# Altium PCB SVPX_FMC_6U_SOM.PcbDoc (part 6 of 9) (continued)
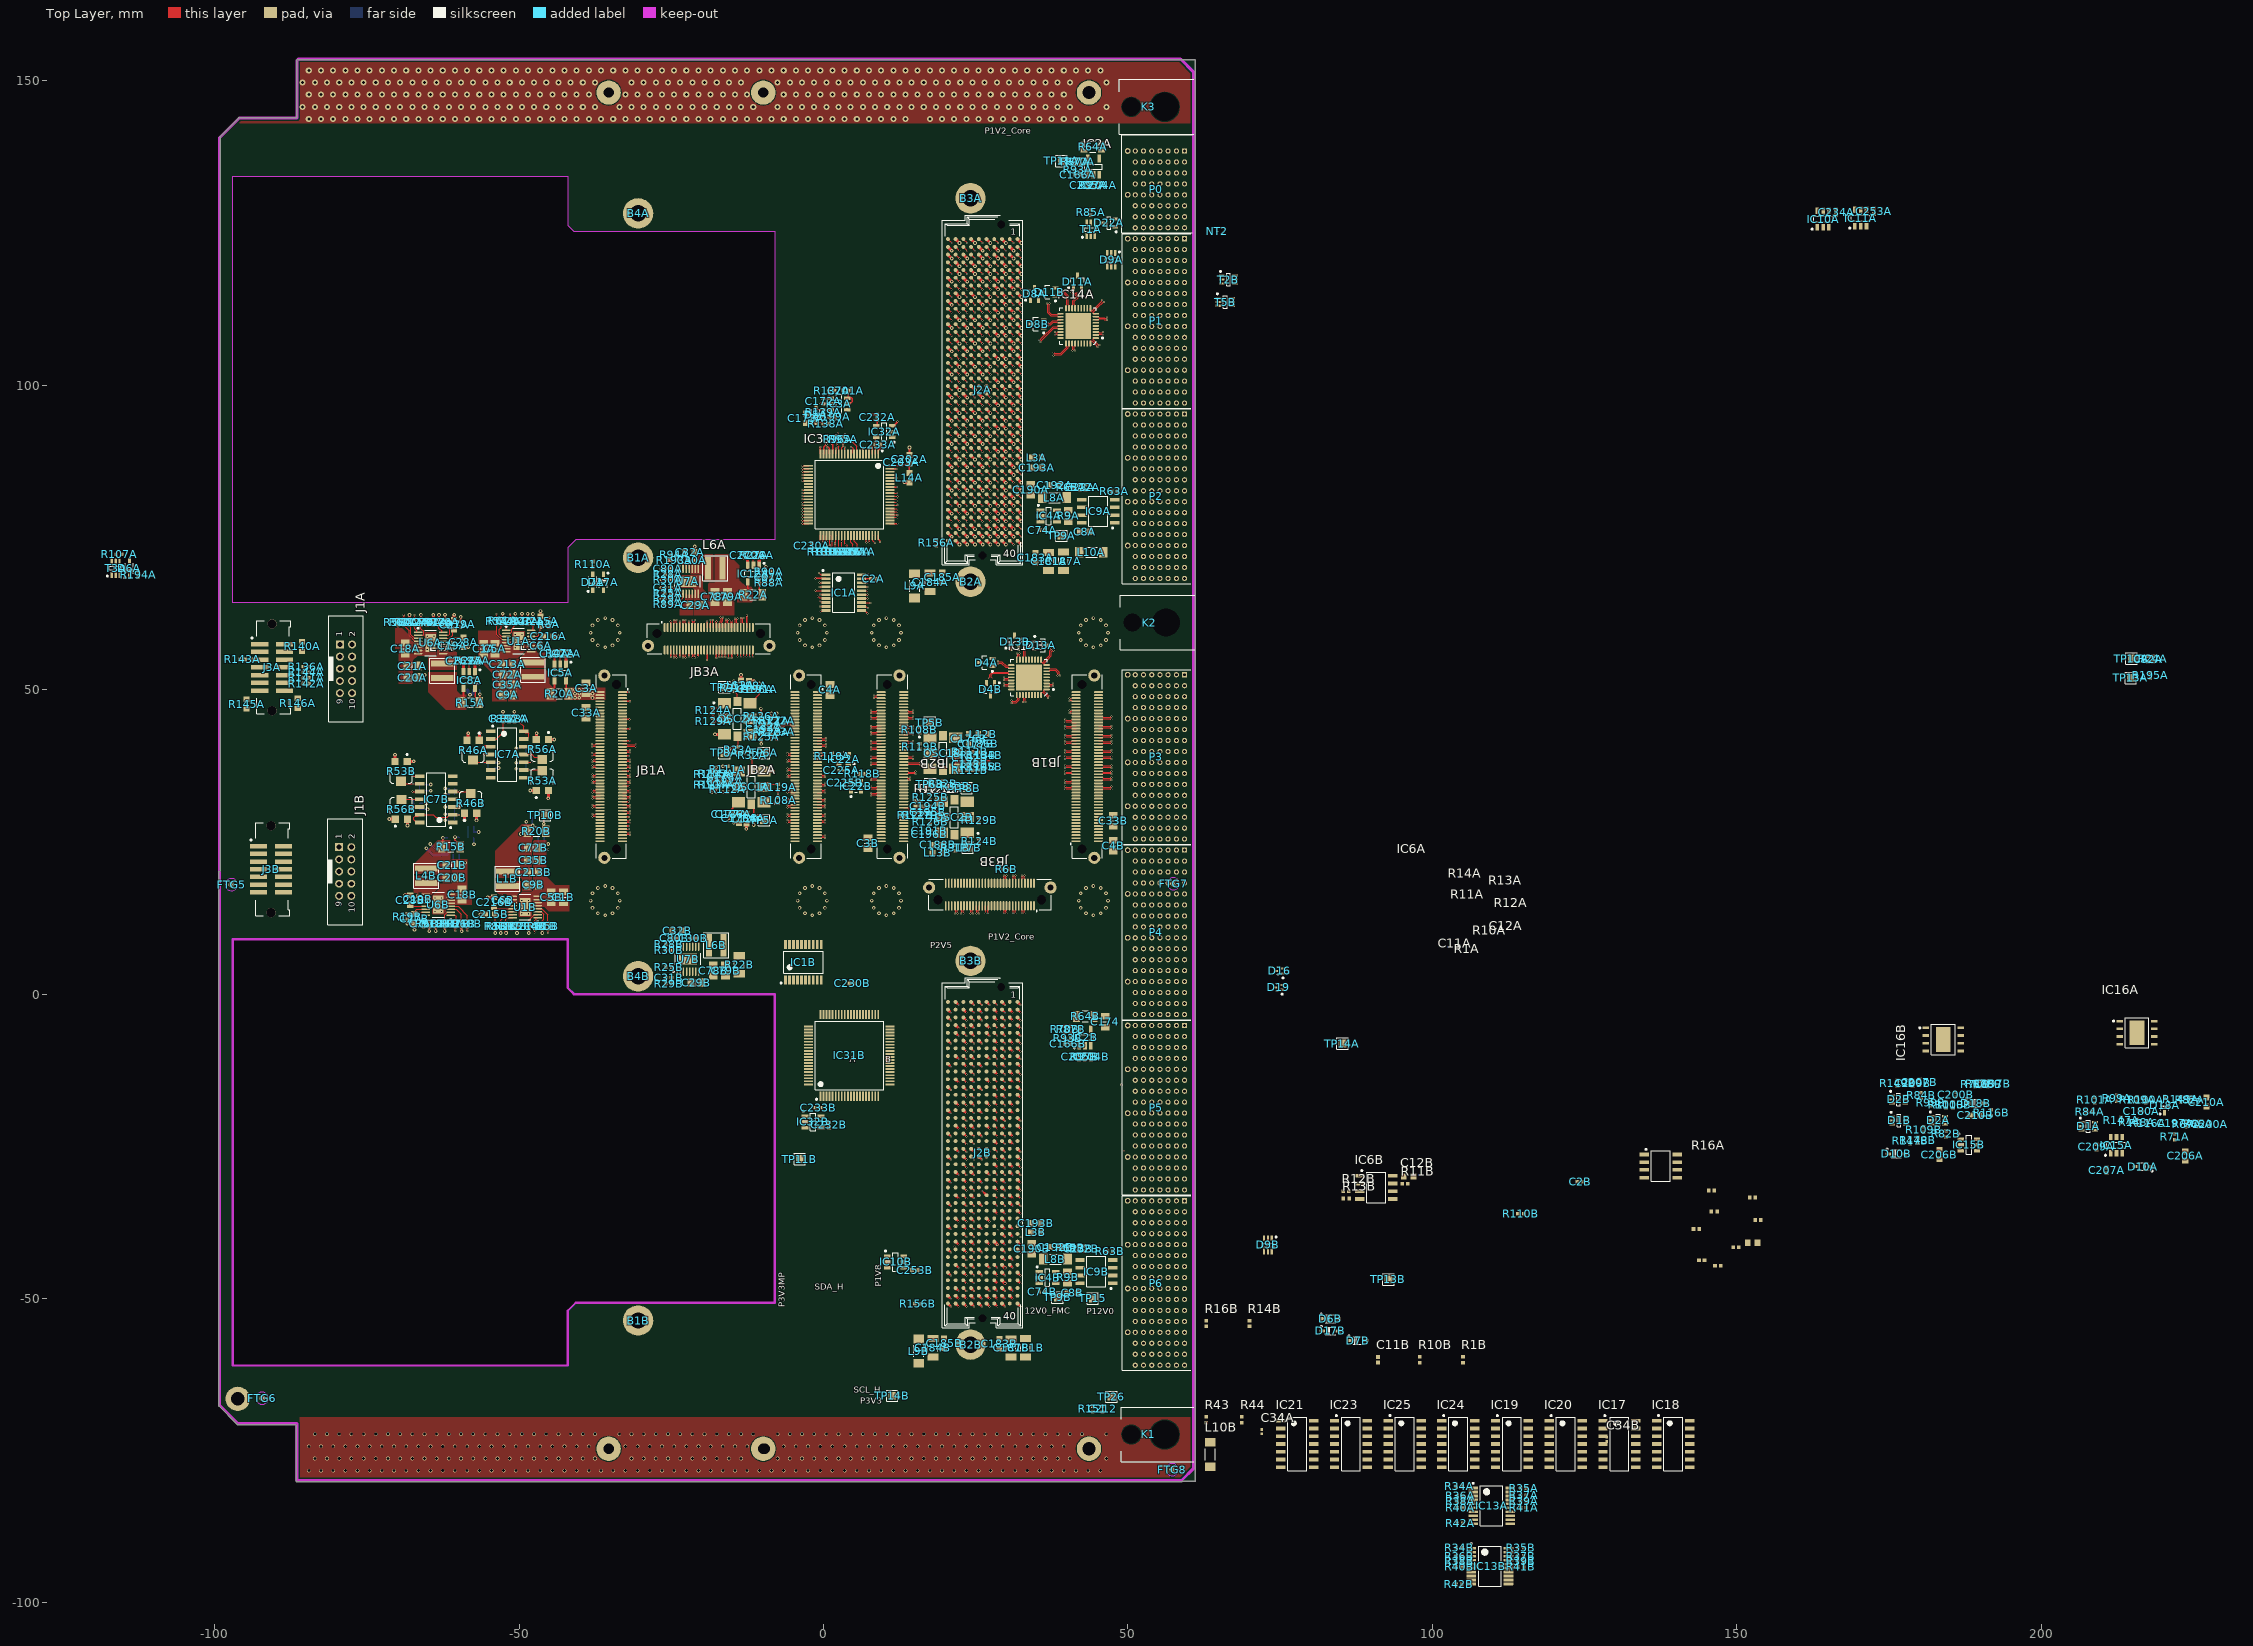
[diagram p0: Top Layer view]
## Nets (pads, with @x,y where several pads share a name; then routed paths per layer and width w, separated by ;. In a path a pad name is that pad's centre, name@x,y a point inside that pad or via, vN(x,y) a via of type N, cw(c..) or ccw(c..) an arc to the next point about the centre after c; other vN are vias at no path point) (continued)
LA07B_N: J2B.h14 JB1B.79 | length 83.9
  Top Layer w0.118: J2B.h14@22.97,-17.798 v4(23.47,-18.298) ; v1(39.7,44.64) 39.755,44.64 39.843,44.728 40.715,44.728 40.842,44.6 JB1B.79@41.475,44.6
  L1 w0.069: v4(23.47,-18.298) 23.47,-17.813 23.43,-17.773 22.847,-17.773 21.472,-16.398 21.472,-0.849 22.617,0.296 31.411,0.296 34.422,3.307 34.422,14.112 34.131,14.403 34.131,17.748 35.814,19.431 35.814,23.043 43.159,30.389 43.159,43.406 41.825,44.74 39.866,44.74 39.766,44.64 v1(39.7,44.64)
LA07B_P: J2B.h13 JB1B.81 | length 83.9
  Top Layer w0.118: J2B.h13@22.97,-16.528 v4(23.47,-17.028) ; v1(39.7,45.06) 39.755,45.06 39.843,44.972 40.715,44.972 40.842,45.1 JB1B.81@41.475,45.1
  L1 w0.069: v4(23.47,-17.028) 23.47,-17.512 23.43,-17.553 22.938,-17.553 21.692,-16.307 21.692,-0.94 22.708,0.076 31.502,0.076 34.641,3.216 34.641,14.203 34.351,14.494 34.351,17.657 36.033,19.34 36.033,22.952 43.379,30.298 43.379,43.497 41.916,44.96 39.866,44.96 39.766,45.06 v1(39.7,45.06)
LA08A_N: J2A.g13 JB1A.85 | length 88.5
  Top Layer w0.118: JB1A.85@-33,28.6 -32.367,28.6 -32.24,28.472 -31.942,28.472 -31.855,28.56 v1(-31.8,28.56) ; J2A.g13@24.24,108.751 v1(24.875,108.116)
  L1 w0.069: v1(-31.8,28.56) -31.866,28.56 -31.966,28.46 -33.97,28.46 -35.95,30.44 -35.95,44.279 -32.045,48.184 -32.045,48.204 -31.746,48.503 -31.489,48.503 -26.238,53.754 -21.399,53.754 -20.345,54.808 ; -11.7,66.781 -7.946,66.781 ; 2.798,77.525 2.798,91.708 18.925,107.835 19.731,108.641 24.835,108.641 24.875,108.601 v1(24.875,108.116)
LA08A_P: J2A.g12 JB1A.87 | length 89.3
  Top Layer w0.118: JB1A.87@-33,28.1 -32.367,28.1 -32.24,28.228 -31.942,28.228 -31.855,28.14 v1(-31.8,28.14) ; J2A.g12@24.24,110.021 v1(24.875,109.386)
  L1 w0.069: v1(-31.8,28.14) -31.866,28.14 -31.966,28.24 -34.061,28.24 -36.17,30.349 -36.17,44.37 -32.264,48.275 -32.264,48.295 -31.837,48.722 -31.58,48.722 -26.329,53.973 -21.49,53.973 -20.565,54.899 ; -11.791,67 -8.037,67 ; 2.578,77.616 2.578,91.799 18.925,108.146 19.64,108.861 24.835,108.861 24.875,108.902 v1(24.875,109.386)
LA08B_N: J2B.g13 JB1B.85 | length 83.1
  Top Layer w0.118: J2B.g13@24.24,-16.528 v4(24.74,-17.028) ; 40.528,46.228 40.715,46.228 40.842,46.1 JB1B.85@41.475,46.1
  L1 w0.069: v4(24.74,-17.028) 24.74,-16.543 24.7,-16.503 23.279,-16.503 22.641,-15.864 22.641,-1.585 23.896,-0.33 31.826,-0.33 35.011,2.854 35.011,14.356 34.72,14.647 34.72,17.22 36.576,19.075 36.576,22.708 43.815,29.947 43.815,44.992 42.566,46.24 42.52,46.24
  L1 w0.078: v1(40.386,46.14) 40.451,46.14 40.547,46.236 42.52,46.236
LA08B_P: J2B.g12 JB1B.87 | length 83.1
  Top Layer w0.118: J2B.g12@24.24,-15.258 v4(24.74,-15.758) ; 40.528,46.472 40.715,46.472 40.842,46.6 JB1B.87@41.475,46.6
  L1 w0.069: v4(24.74,-15.758) 24.74,-16.242 24.7,-16.283 23.37,-16.283 22.86,-15.773 22.86,-1.676 23.987,-0.55 31.917,-0.55 35.23,2.763 35.23,14.447 34.94,14.738 34.94,17.129 36.795,18.984 36.795,22.617 44.034,29.856 44.034,45.082 42.657,46.46 42.52,46.46
  L1 w0.078: v1(40.386,46.56) 40.451,46.56 40.547,46.464 42.52,46.464
LA09A_N: J2A.d15 JB1A.75 | length 70.2
  Top Layer w0.118: JB1A.75@-33,31.1 -32.367,31.1 -32.24,30.972 -31.942,30.972 -31.855,31.06 v1(-31.8,31.06) ; J2A.d15@28.05,106.211 v1(28.685,105.576)
  L1 w0.069: v1(-31.8,31.06) -31.866,31.06 -31.966,30.96 -33.35,30.96 -34.629,32.239 -34.629,43.648 -31.298,46.979 -31.261,46.979 -25.663,52.576 -19.961,52.576 ; -10.685,65.357 -6.754,65.357 ; 4.55,90.981 19.671,106.101 20.77,106.101 20.78,106.091 24.837,106.091 24.848,106.101 28.645,106.101 28.685,106.061 v1(28.685,105.576)
LA09A_P: J2A.d14 JB1A.77 | length 71.1
  Top Layer w0.118: JB1A.77@-33,30.6 -32.367,30.6 -32.24,30.728 -31.942,30.728 -31.855,30.64 v1(-31.8,30.64) ; J2A.d14@28.05,107.481 v1(28.685,106.846)
  L1 w0.069: v1(-31.8,30.64) -31.866,30.64 -31.966,30.74 -33.441,30.74 -34.849,32.148 -34.849,43.739 -31.389,47.198 -31.351,47.198 -25.754,52.796 -20.052,52.796 ; -10.776,65.577 -6.844,65.577 ; 4.331,91.072 19.58,106.321 20.861,106.321 20.871,106.31 24.746,106.31 24.757,106.321 28.645,106.321 28.685,106.362 v1(28.685,106.846)
LA09B_N: J2B.d15 JB1B.75 | length 88.8
  Top Layer w0.118: J2B.d15@28.05,-19.068 v4(28.55,-19.568) ; v1(39.7,43.64) 39.755,43.64 39.843,43.728 40.715,43.728 40.842,43.6 JB1B.75@41.475,43.6
  L1 w0.069: v4(28.55,-19.568) 28.55,-19.083 28.51,-19.043 21.552,-19.043 20.024,-17.515 20.024,-0.341 22.058,1.693 27.829,1.693 33.833,7.696 33.833,13.868 33.385,14.316 33.385,18.17 34.96,19.745 34.96,23.326 42.57,30.937 42.57,42.621 41.451,43.74 39.866,43.74 39.766,43.64 v1(39.7,43.64)
LA09B_P: J2B.d14 JB1B.77 | length 88.8
  Top Layer w0.118: J2B.d14@28.05,-17.798 v4(28.55,-18.298) ; v1(39.7,44.06) 39.755,44.06 39.843,43.972 40.715,43.972 40.842,44.1 JB1B.77@41.475,44.1
  L1 w0.069: v4(28.55,-18.298) 28.55,-18.782 28.51,-18.823 21.642,-18.823 20.244,-17.424 20.244,-0.432 22.149,1.473 27.92,1.473 34.052,7.605 34.052,13.959 33.604,14.407 33.604,18.079 35.179,19.654 35.179,23.235 42.79,30.846 42.79,42.712 41.542,43.96 39.866,43.96 39.766,44.06 v1(39.7,44.06)
LA10A_N: J2A.c15 JB1A.69 | length 115.7
  Top Layer w0.118: JB1A.69@-33,32.6 -32.367,32.6 -32.24,32.472 -31.942,32.472 -31.855,32.56 v1(-31.8,32.56) ; J2A.c15@29.32,106.211 v1(29.955,105.576)
  L2 w0.069: -31.166,32.394 -30.735,32.394 -29.083,34.047 -29.083,42.93 -18.587,53.426 -18.587,55.911 -17.257,57.241 -14.772,57.241 -13.725,58.288 -13.575,58.288 -4.562,67.301 -4.562,71.379 2.83,78.77 2.83,90.013 2.874,90.057 2.874,99.734 9.241,106.102 20.77,106.102 20.78,106.091 25.472,106.091 25.483,106.102 29.915,106.102 29.955,106.061 v1(29.955,105.576)
LA10A_P: J2A.c14 JB1A.71 | length 115.7
  Top Layer w0.118: JB1A.71@-33,32.1 -32.367,32.1 -32.24,32.228 -31.942,32.228 -31.855,32.14 v1(-31.8,32.14) ; J2A.c14@29.32,107.481 v1(29.955,106.846)
  L2 w0.069: -31.166,32.614 -30.826,32.614 -29.302,34.138 -29.302,43.021 -18.806,53.517 -18.806,56.002 -17.348,57.461 -14.862,57.461 -13.816,58.507 -13.666,58.507 -4.781,67.392 -4.781,71.47 2.61,78.861 2.61,90.103 2.654,90.147 2.654,99.825 9.15,106.321 20.861,106.321 20.871,106.311 25.382,106.311 25.392,106.321 29.915,106.321 29.955,106.361 v1(29.955,106.846)
LA10B_N: J2B.c15 JB1B.69 | length 72.3
  Top Layer w0.118: J2B.c15@29.32,-19.068 v4(29.82,-19.568) ; v1(39.7,42.14) 39.755,42.14 39.843,42.228 40.715,42.228 40.842,42.1 JB1B.69@41.475,42.1
  L3 w0.069: v4(29.82,-19.568) 29.82,-19.083 29.861,-19.042 33.898,-19.042 35.982,-16.958 35.982,12.208 39.155,15.38 39.155,23.36 37.795,24.719 37.795,40.919 39.116,42.24 39.534,42.24 39.635,42.14 v1(39.7,42.14)
LA10B_P: J2B.c14 JB1B.71 | length 72.3
  Top Layer w0.118: J2B.c14@29.32,-17.798 v4(29.82,-18.298) ; v1(39.7,42.56) 39.755,42.56 39.843,42.472 40.715,42.472 40.842,42.6 JB1B.71@41.475,42.6
  L3 w0.069: v4(29.82,-18.298) 29.82,-18.783 29.861,-18.823 33.807,-18.823 35.763,-16.867 35.763,12.299 38.936,15.471 38.936,23.269 37.576,24.629 37.576,41.01 39.025,42.46 39.534,42.46 39.635,42.56 v1(39.7,42.56)
LA11A_N: J2A.h17 JB1A.55 | length 57
  Top Layer w0.118: JB1A.55@-33,36.1 -32.367,36.1 -32.24,35.972 -31.942,35.972 -31.855,36.06 v1(-31.8,36.06) ; J2A.h17@22.97,103.671 v1(23.605,103.036)
  L1 w0.069: v1(-31.8,36.06) -31.866,36.06 -31.966,35.96 -32.838,35.96 -33.385,36.507 -33.385,43.227 -32.015,44.596 -31.606,44.596 -24.804,51.398 -19.158,51.398 ; -10.167,64.179 -5.274,64.179 ; 6.06,89.865 6.639,90.444 6.639,90.495 6.812,90.668 6.863,90.668 19.756,103.561 22.01,103.561 22.03,103.541 22.917,103.541 22.938,103.561 23.565,103.561 23.605,103.521 v1(23.605,103.036)
LA11A_P: J2A.h16 JB1A.57 | length 57.9
  Top Layer w0.118: JB1A.57@-33,35.6 -32.367,35.6 -32.24,35.728 -31.942,35.728 -31.855,35.64 v1(-31.8,35.64) ; J2A.h16@22.97,104.941 v1(23.605,104.306)
  L1 w0.069: v1(-31.8,35.64) -31.866,35.64 -31.966,35.74 -32.929,35.74 -33.604,36.416 -33.604,43.318 -32.106,44.816 -31.697,44.816 -24.895,51.618 -19.248,51.618 ; -10.258,64.399 -5.365,64.399 ; 5.841,89.956 6.42,90.535 6.42,90.586 6.721,90.887 6.772,90.887 19.665,103.781 22.101,103.781 22.121,103.76 22.826,103.76 22.847,103.781 23.565,103.781 23.605,103.822 v1(23.605,104.306)
LA11B_N: J2B.h17 JB1B.55 | length 81.8
  Top Layer w0.118: J2B.h17@22.97,-21.608 v4(23.47,-22.108) ; v1(39.7,38.64) 39.755,38.64 39.843,38.728 40.715,38.728 40.842,38.6 JB1B.55@41.475,38.6
  L1 w0.069: v4(23.47,-22.108) 23.47,-21.623 23.43,-21.583 20.155,-21.583 18.246,-19.674 18.246,1.183 21.006,3.943 21.006,7.981 22.413,9.389 25.715,9.389 27.686,11.359 27.686,20.456 30.36,23.13 32.452,23.13 41.373,32.051 41.373,38.434 41.067,38.74 39.866,38.74 39.766,38.64 v1(39.7,38.64)
LA11B_P: J2B.h16 JB1B.57 | length 81.8
  Top Layer w0.118: J2B.h16@22.97,-20.338 v4(23.47,-20.838) ; v1(39.7,39.06) 39.755,39.06 39.843,38.972 40.715,38.972 40.842,39.1 JB1B.57@41.475,39.1
  L1 w0.069: v4(23.47,-20.838) 23.47,-21.322 23.43,-21.363 20.245,-21.363 18.466,-19.583 18.466,1.092 21.225,3.852 21.225,7.89 22.504,9.169 25.806,9.169 27.905,11.268 27.905,20.365 30.451,22.911 32.543,22.911 41.592,31.96 41.592,38.525 41.157,38.96 39.866,38.96 39.766,39.06 v1(39.7,39.06)
LA12A_N: J2A.g16 JB1A.59 | length 75.7
  Top Layer w0.118: JB1A.59@-33,35.1 -32.367,35.1 -32.24,34.972 -31.942,34.972 -31.855,35.06 v1(-31.8,35.06) ; J2A.g16@24.24,104.941 v1(24.875,104.306)
  L1 w0.069: v1(-31.8,35.06) -31.866,35.06 -31.966,34.96 -32.385,34.96 -32.394,34.951 -33.369,34.951 -34.02,35.602 -34.02,43.425 -31.054,46.39 -31.017,46.39 -25.42,51.987 -19.432,51.987 ; -10.411,64.768 -5.853,64.768 ; 5.287,75.909 5.287,90.321 19.798,104.831 24.835,104.831 24.875,104.791 v1(24.875,104.306)
LA12A_P: J2A.g15 JB1A.61 | length 76.7
  Top Layer w0.118: JB1A.61@-33,34.6 -32.367,34.6 -32.24,34.728 -31.942,34.728 -31.855,34.64 v1(-31.8,34.64) ; J2A.g15@24.24,106.211 v1(24.875,105.576)
  L1 w0.069: v1(-31.8,34.64) -31.866,34.64 -31.966,34.74 -32.295,34.74 -32.303,34.732 -33.46,34.732 -34.239,35.511 -34.239,43.516 -31.145,46.61 -31.107,46.61 -25.51,52.207 -19.523,52.207 ; -10.502,64.988 -5.944,64.988 ; 5.068,76 5.068,90.412 19.707,105.051 24.835,105.051 24.875,105.092 v1(24.875,105.576)
LA12B_N: J2B.g16 JB1B.59 | length 83.6
  Top Layer w0.118: J2B.g16@24.24,-20.338 v4(24.74,-20.838) ; v1(39.7,39.64) 39.755,39.64 39.843,39.728 40.715,39.728 40.842,39.6 JB1B.59@41.475,39.6
  L1 w0.069: v4(24.74,-20.838) 24.74,-20.353 24.7,-20.313 20.205,-20.313 19.135,-19.243 19.135,0.243 21.508,2.616 26.873,2.616 28.61,4.353 28.61,19.852 30.347,21.59 32.252,21.59 41.962,31.299 41.962,38.912 41.133,39.74 39.866,39.74 39.766,39.64 v1(39.7,39.64)
LA12B_P: J2B.g15 JB1B.61 | length 83.6
  Top Layer w0.118: J2B.g15@24.24,-19.068 v4(24.74,-19.568) ; v1(39.7,40.06) 39.755,40.06 39.843,39.972 40.715,39.972 40.842,40.1 JB1B.61@41.475,40.1
  L1 w0.069: v4(24.74,-19.568) 24.74,-20.052 24.7,-20.093 20.296,-20.093 19.355,-19.152 19.355,-7.889 19.355,0.152 21.599,2.397 26.964,2.397 28.829,4.262 28.829,19.761 30.438,21.371 32.343,21.371 42.181,31.209 42.181,39.003 41.224,39.96 39.866,39.96 39.766,40.06 v1(39.7,40.06)
LA13A_N: J2A.d18 JB1A.49 | length 72.5
  Top Layer w0.118: JB1A.49@-33,37.6 -32.367,37.6 -32.24,37.472 -31.942,37.472 -31.855,37.56 v1(-31.8,37.56) ; J2A.d18@28.05,102.401 v1(28.685,101.766)
  L1 w0.069: v1(-31.8,37.56) -31.866,37.56 -31.966,37.46 -32.425,37.46 -32.75,37.785 -32.75,43.029 -31.771,44.007 -31.362,44.007 -24.56,50.809 -18.914,50.809 ; -9.892,63.59 -5.03,63.59 ; 6.652,75.272 6.652,89.275 6.665,89.275 6.966,89.576 6.966,89.627 7.198,89.859 ; 7.198,89.86 18.925,101.587 19.629,102.291 20.755,102.291 20.78,102.266 21.372,102.266 21.397,102.291 28.645,102.291 28.685,102.251 v1(28.685,101.766)
LA13A_P: J2A.d17 JB1A.51 | length 73.4
  Top Layer w0.118: JB1A.51@-33,37.1 -32.367,37.1 -32.24,37.228 -31.942,37.228 -31.855,37.14 v1(-31.8,37.14) ; J2A.d17@28.05,103.671 v1(28.685,103.036)
  L1 w0.069: v1(-31.8,37.14) -31.866,37.14 -31.966,37.24 -32.516,37.24 -32.969,37.694 -32.969,43.12 -31.862,44.227 -31.453,44.227 -24.651,51.029 -19.004,51.029 ; -9.983,63.81 -5.121,63.81 ; 6.432,75.363 6.432,89.404 6.523,89.494 6.574,89.494 6.746,89.667 6.746,89.718 6.979,89.95 ; 6.979,89.951 18.925,101.897 19.538,102.511 20.846,102.511 20.871,102.485 21.281,102.485 21.307,102.511 28.645,102.511 28.685,102.552 v1(28.685,103.036)
LA13B_N: J2B.d18 JB1B.49 | length 84.5
  Top Layer w0.118: J2B.d18@28.05,-22.878 v4(28.55,-23.378) ; v1(39.7,37.14) 39.755,37.14 39.843,37.228 40.715,37.228 40.842,37.1 JB1B.49@41.475,37.1
  L1 w0.069: v4(28.55,-23.378) 28.55,-22.893 28.51,-22.853 20.28,-22.853 17.484,-20.057 17.484,1.666 20.066,4.247 20.066,9.159 20.807,9.9 20.807,13.93 26.645,19.767 26.645,20.248 30.543,24.146 32.599,24.146 39.901,31.448 39.906,31.448 40.784,32.326 40.784,37.042 40.585,37.24 39.866,37.24 39.766,37.14 v1(39.7,37.14)
LA13B_P: J2B.d17 JB1B.51 | length 84.5
  Top Layer w0.118: J2B.d17@28.05,-21.608 v4(28.55,-22.108) ; v1(39.7,37.56) 39.755,37.56 39.843,37.472 40.715,37.472 40.842,37.6 JB1B.51@41.475,37.6
  L1 w0.069: v4(28.55,-22.108) 28.55,-22.592 28.51,-22.633 20.371,-22.633 17.704,-19.966 17.704,1.575 20.285,4.156 20.285,9.068 21.027,9.809 21.027,13.839 26.864,19.676 26.864,20.157 30.634,23.927 32.69,23.927 39.992,31.228 39.997,31.228 41.003,32.235 41.003,37.133 40.676,37.46 39.866,37.46 39.766,37.56 v1(39.7,37.56)
LA14A_N: J2A.c19 JB1A.45 | length 102.3
  Top Layer w0.118: JB1A.45@-33,38.6 -32.367,38.6 -32.24,38.472 -31.942,38.472 -31.855,38.56 v1(-31.8,38.56) ; J2A.c19@29.32,101.131 v1(29.955,100.496)
  L2 w0.069: -28.471,39.215 -26.873,40.813 -26.873,44.308 -17.81,53.371 -17.81,54.397 -17.897,54.484 -17.897,55.555 -16.987,56.464 -14.717,56.464 -13.481,57.7 -13.101,57.7 -10.716,60.085 -10.537,60.085 -3.637,66.986 -3.637,71.415 4.093,79.145 4.093,95.482 9.632,101.022 29.915,101.022 29.955,100.981 v1(29.955,100.496)
LA14A_P: J2A.c18 JB1A.47 | length 102.5
  Top Layer w0.118: JB1A.47@-33,38.1 -32.367,38.1 -32.24,38.228 -31.942,38.228 -31.855,38.14 v1(-31.8,38.14) ; J2A.c18@29.32,102.401 v1(29.955,101.766)
  L2 w0.069: -28.626,39.37 -27.092,40.903 -27.092,44.399 -18.029,53.462 -18.029,54.306 -18.116,54.393 -18.116,55.646 -17.078,56.683 -14.808,56.683 -13.572,57.919 -13.192,57.919 -10.807,60.304 -10.628,60.304 -3.856,67.076 -3.856,71.506 3.874,79.235 3.874,95.573 9.542,101.241 29.915,101.241 29.955,101.281 v1(29.955,101.766)
LA14B_N: J2B.c19 JB1B.45 | length 71.3
  Top Layer w0.118: J2B.c19@29.32,-24.148 v4(29.82,-24.648) ; 39.843,36.228 40.715,36.228 40.842,36.1 JB1B.45@41.475,36.1
  L3 w0.069: v4(29.82,-24.648) 29.82,-24.163 29.861,-24.122 33.82,-24.122 37.278,-20.665 37.278,10.836 40.173,13.732 40.173,24.449 38.553,26.07 38.553,35.46 39.334,36.24 39.534,36.24 39.635,36.14 v1(39.7,36.14)
LA14B_P: J2B.c18 JB1B.47 | length 71.3
  Top Layer w0.118: J2B.c18@29.32,-22.878 v4(29.82,-23.378) ; 39.843,36.472 40.715,36.472 40.842,36.6 JB1B.47@41.475,36.6
  L3 w0.069: v4(29.82,-23.378) 29.82,-23.863 29.861,-23.903 33.729,-23.903 37.059,-20.574 37.059,10.927 39.954,13.823 39.954,24.359 38.334,25.979 38.334,35.551 39.243,36.46 39.534,36.46 39.635,36.56 v1(39.7,36.56)
LA15A_N: J2A.h20 JB1A.35 | length 61.1
  Top Layer w0.118: JB1A.35@-33,41.1 -32.367,41.1 -32.24,40.972 -30.978,40.972 ; J2A.h20@22.97,99.861 v1(23.605,99.226)
  L1 w0.069: v1(-30.836,41.06) -30.901,41.06 -31.002,40.96 -31.152,40.96 -31.289,41.097 -31.289,41.299 -23.125,49.463 -18.578,49.463 -16.154,51.887 ; -9.033,62.315 -4.639,62.315 ; 8.21,75.164 8.21,87.707 20.255,99.751 22.02,99.751 22.03,99.741 22.922,99.741 22.933,99.751 23.565,99.751 23.605,99.711 v1(23.605,99.226)
LA15A_P: J2A.h19 JB1A.37 | length 62
  Top Layer w0.118: JB1A.37@-33,40.6 -32.367,40.6 -32.24,40.728 -30.978,40.728 -30.89,40.64 v1(-30.836,40.64) ; J2A.h19@22.97,101.131 v1(23.605,100.496)
  L1 w0.069: v1(-30.836,40.64) -30.901,40.64 -31.002,40.74 -31.243,40.74 -31.508,41.006 -31.508,41.39 -23.216,49.682 -18.669,49.682 -16.374,51.978 ; -9.124,62.535 -4.73,62.535 ; 7.991,75.255 7.991,87.797 20.164,99.971 22.11,99.971 22.121,99.96 22.831,99.96 22.842,99.971 23.565,99.971 23.605,100.012 v1(23.605,100.496)
LA15B_N: J2B.h20 JB1B.35 | length 77.4
  Top Layer w0.118: J2B.h20@22.97,-25.418 v4(23.47,-25.918) ; v1(39.7,33.64) 39.755,33.64 39.843,33.728 40.715,33.728 40.842,33.6 JB1B.35@41.475,33.6
  L3 w0.069: v4(23.47,-25.918) 23.47,-25.433 23.511,-25.392 34.43,-25.392 38.497,-21.325 38.497,8.322 41.291,11.116 41.291,26.806 39.141,28.956 39.141,33.503 39.379,33.74 39.534,33.74 39.635,33.64 v1(39.7,33.64)
LA15B_P: J2B.h19 JB1B.37 | length 77.4
  Top Layer w0.118: J2B.h19@22.97,-24.148 v4(23.47,-24.648) ; v1(39.7,34.06) 39.755,34.06 39.843,33.972 40.715,33.972 40.842,34.1 JB1B.37@41.475,34.1
  L3 w0.069: v4(23.47,-24.648) 23.47,-25.133 23.511,-25.173 34.339,-25.173 38.278,-21.234 38.278,8.413 41.072,11.207 41.072,26.716 38.922,28.865 38.922,33.593 39.288,33.96 39.534,33.96 39.635,34.06 v1(39.7,34.06)
LA16A_N: J2A.g19 JB1A.39 | length 65.2
  Top Layer w0.118: JB1A.39@-33,40.1 -32.367,40.1 -32.24,39.972 -31.942,39.972 -31.855,40.06 v1(-31.8,40.06) ; J2A.g19@24.24,101.131 v1(24.875,100.496)
  L1 w0.069: v1(-31.8,40.06) -31.868,40.06 -31.968,39.96 -32.093,39.96 -32.134,40 -32.134,41.724 -23.734,50.123 -18.766,50.123 -16.743,52.146 ; -9.648,63.001 -4.786,63.001 ; 7.4,75.187 7.4,88.319 20.103,101.021 24.835,101.021 24.875,100.981 v1(24.875,100.496)
LA16A_P: J2A.g18 JB1A.41 | length 66
  Top Layer w0.118: JB1A.41@-33,39.6 -32.367,39.6 -32.24,39.728 -31.942,39.728 -31.855,39.64 v1(-31.8,39.64) ; J2A.g18@24.24,102.401 v1(24.875,101.766)
  L1 w0.069: v1(-31.8,39.64) -31.866,39.64 -31.966,39.74 -32.184,39.74 -32.353,39.91 -32.353,41.815 -23.825,50.343 -18.857,50.343 -16.963,52.237 ; -9.739,63.221 -4.877,63.221 ; 7.181,75.278 7.181,88.41 20.012,101.241 24.835,101.241 24.875,101.282 v1(24.875,101.766)
LA16B_N: J2B.g19 JB1B.39 | length 79.2
  Top Layer w0.118: J2B.g19@24.24,-24.148 v4(24.74,-24.648) ; v1(39.7,34.64) 39.755,34.64 39.843,34.728 40.715,34.728 40.842,34.6 JB1B.39@41.475,34.6
  L1 w0.069: v4(24.74,-24.648) 24.74,-24.163 24.7,-24.123 20.18,-24.123 16.849,-20.792 16.849,2.758 19.329,5.238 19.329,9.785 20.218,10.674 20.218,14.687 30.668,25.137 32.757,25.137 40.195,32.575 40.195,34.562 40.017,34.74 39.866,34.74 39.766,34.64 v1(39.7,34.64)
LA16B_P: J2B.g18 JB1B.41 | length 79.2
  Top Layer w0.118: J2B.g18@24.24,-22.878 v4(24.74,-23.378) ; v1(39.7,35.06) 39.755,35.06 39.843,34.972 40.715,34.972 40.842,35.1 JB1B.41@41.475,35.1
  L1 w0.069: v4(24.74,-23.378) 24.74,-23.862 24.7,-23.903 20.271,-23.903 17.069,-20.701 17.069,2.667 19.549,5.147 19.549,9.694 20.438,10.583 20.438,14.596 30.759,24.917 32.848,24.917 40.414,32.484 40.414,34.653 40.108,34.96 39.866,34.96 39.766,35.06 v1(39.7,35.06)
LA17_CCA_N: J2A.d21 JB2A.57 | length 87.8
  Top Layer w0.118: JB2A.57@-1,35.6 -0.367,35.6 -0.24,35.728 0.086,35.728 0.174,35.64 v1(0.228,35.64) ; J2A.d21@28.05,98.591 v1(28.685,97.956)
  L2 w0.069: v1(0.228,35.64) 0.163,35.64 0.063,35.74 -0.126,35.74 -0.499,36.113 -0.499,36.895 0.876,38.27 0.876,47.459 8.246,54.829 10.227,54.829 13.411,58.014 13.411,76.891 18.542,82.022 18.542,87.127 19.924,88.51 30.293,88.51 30.512,88.728 30.512,98.297 30.328,98.482 28.726,98.482 28.685,98.441 v1(28.685,97.956)
LA17_CCA_P: J2A.d20 JB2A.55 | length 87.8
  Top Layer w0.118: JB2A.55@-1,36.1 -0.367,36.1 -0.24,35.972 0.086,35.972 0.174,36.06 v1(0.228,36.06) ; J2A.d20@28.05,99.861 v1(28.685,99.226)
  L2 w0.069: v1(0.228,36.06) 0.163,36.06 0.063,35.96 -0.035,35.96 -0.279,36.204 -0.279,36.805 1.095,38.179 1.095,47.368 8.336,54.61 10.318,54.61 13.63,57.923 13.63,76.8 18.761,81.931 18.761,87.037 20.015,88.291 30.384,88.291 30.731,88.638 30.731,98.388 30.418,98.701 28.726,98.701 28.685,98.741 v1(28.685,99.226)
LA17_CCB_N: J2B.d21 JB2B.57 | length 83.1
  Top Layer w0.118: v1(7.772,39.06) 7.827,39.06 7.915,38.972 8.548,38.972 8.715,38.972 8.842,39.1 JB2B.57@9.475,39.1 ; J2B.d21@28.05,-26.688 v4(28.55,-27.188)
  L3 w0.069: v1(7.772,39.06) 7.707,39.06 7.606,38.96 7.255,38.96 6.791,38.496 6.791,37.149 7.301,36.64 8.394,36.64 9.306,35.728 9.306,22.8 18.602,13.503 18.602,-23.738 21.526,-26.662 28.51,-26.662 28.55,-26.703 v4(28.55,-27.188)
LA17_CCB_P: J2B.d20 JB2B.55 | length 82.4
  Top Layer w0.118: v1(7.772,38.64) 7.827,38.64 7.915,38.728 8.447,38.728 8.715,38.728 8.842,38.6 JB2B.55@9.475,38.6 ; J2B.d20@28.05,-25.418 v4(28.55,-25.918)
  L3 w0.069: v1(7.772,38.64) 7.707,38.64 7.606,38.74 7.346,38.74 7.01,38.405 7.01,37.24 7.391,36.859 8.485,36.859 9.525,35.819 9.525,22.891 18.821,13.594 18.821,-23.647 21.617,-26.443 28.51,-26.443 28.55,-26.403 v4(28.55,-25.918)
LA18_CCA_N: J2A.c23 JB2A.54 | length 66.6
  Top Layer w0.118: v1(-5.9,36.64) -5.845,36.64 -5.758,36.728 -5.46,36.728 -5.333,36.6 JB2A.54@-4.7,36.6 ; J2A.c23@29.32,96.051 v1(29.955,95.416)
  L1 w0.069: -7.061,59.024 -7.061,46.391 -7.042,46.372 -7.042,38.487 -6.2,37.645 -5.438,37.645 -5.196,37.403 -5.196,36.943 -5.401,36.738 -5.633,36.738 -5.636,36.74 -5.734,36.74 -5.834,36.64 v1(-5.9,36.64) ; 8.966,75.051 8.966,86.939 20.493,98.466 26.41,98.466 26.64,98.235 26.64,96.451 27.12,95.972 27.375,95.972 27.406,95.941 29.915,95.941 29.955,95.901 v1(29.955,95.416)
LA18_CCA_P: J2A.c22 JB2A.52 | length 66.6
  Top Layer w0.118: v1(-5.9,37.06) -5.845,37.06 -5.758,36.972 -5.46,36.972 -5.333,37.1 JB2A.52@-4.7,37.1 ; J2A.c22@29.32,97.321 v1(29.955,96.686)
  L1 w0.069: -7.281,59.115 -7.281,46.3 -7.261,46.281 -7.261,38.396 -6.291,37.426 -5.529,37.426 -5.415,37.312 -5.415,37.034 -5.489,36.96 -5.734,36.96 -5.834,37.06 v1(-5.9,37.06) ; 8.747,75.142 8.747,87.03 20.402,98.685 26.501,98.685 26.86,98.326 26.86,96.542 27.21,96.191 27.51,96.191 27.541,96.161 29.915,96.161 29.955,96.202 v1(29.955,96.686)
LA18_CCB_N: J2B.c23 JB2B.54 | length 83.3
  Top Layer w0.118: JB2B.54@13.175,38.1 13.808,38.1 13.935,37.972 15.758,37.972 15.846,38.06 v1(15.9,38.06) ; J2B.c23@29.32,-29.228 v4(29.82,-29.728)
  L1 w0.069: v1(15.9,38.06) 15.835,38.06 15.734,37.96 15.545,37.96 15.376,37.79 15.376,37.382 15.681,37.077 15.681,3.581 15.198,3.099 15.198,-22.849 18.807,-26.458 23.014,-26.458 23.179,-26.622 26.266,-26.622 26.721,-27.076 26.721,-27.82 28.103,-29.203 29.78,-29.203 29.82,-29.243 v4(29.82,-29.728)
LA18_CCB_P: J2B.c22 JB2B.52 | length 82.6
  Top Layer w0.118: JB2B.52@13.175,37.6 13.808,37.6 13.935,37.728 15.758,37.728 15.846,37.64 v1(15.9,37.64) ; J2B.c22@29.32,-27.958 v4(29.82,-28.458)
  L1 w0.069: v1(15.9,37.64) 15.835,37.64 15.734,37.74 15.636,37.74 15.595,37.7 15.595,37.473 15.9,37.168 15.9,3.49 15.418,3.008 15.418,-22.758 18.898,-26.238 23.105,-26.238 23.27,-26.403 26.357,-26.403 26.94,-26.985 26.94,-27.729 28.194,-28.983 29.78,-28.983 29.82,-28.942 v4(29.82,-28.458)
LA19A_N: J2A.h23 JB2A.44 | length 82
  Top Layer w0.118: v1(-5.9,39.14) -5.845,39.14 -5.758,39.228 -5.46,39.228 -5.333,39.1 JB2A.44@-4.7,39.1 ; J2A.h23@22.97,96.051 v1(23.605,95.416)
  L2 w0.069: v1(-5.9,39.14) -5.834,39.14 -5.734,39.24 -5.545,39.24 -5.377,39.409 -5.377,39.805 -5.216,39.965 -5.216,40.421 -6.105,41.31 -6.105,54.143 -4.207,56.042 -0.549,56.042 1.824,58.415 1.824,70.693 5.715,74.585 5.715,90.449 11.207,95.942 22.005,95.942 22.03,95.916 22.915,95.916 22.94,95.942 23.565,95.942 23.605,95.901 v1(23.605,95.416)
LA19A_P: J2A.h22 JB2A.42 | length 82
  Top Layer w0.118: v1(-5.9,39.56) -5.845,39.56 -5.758,39.472 -5.46,39.472 -5.333,39.6 JB2A.42@-4.7,39.6 ; J2A.h22@22.97,97.321 v1(23.605,96.686)
  L2 w0.069: v1(-5.9,39.56) -5.834,39.56 -5.734,39.46 -5.636,39.46 -5.596,39.5 -5.596,39.896 -5.436,40.056 -5.436,40.33 -6.325,41.219 -6.325,54.234 -4.298,56.261 -0.64,56.261 1.605,58.506 1.605,70.784 5.496,74.675 5.496,90.54 11.116,96.161 22.096,96.161 22.121,96.135 22.824,96.135 22.85,96.161 23.565,96.161 23.605,96.201 v1(23.605,96.686)
LA19B_N: J2B.h23 JB2B.44 | length 74.8
  Top Layer w0.118: JB2B.44@13.175,35.6 13.739,35.6 13.866,35.472 14.061,35.472 14.148,35.56 v1(14.203,35.56) ; J2B.h23@22.97,-29.228 v4(23.47,-29.728)
  L1 w0.069: v1(14.203,35.56) 14.137,35.56 14.037,35.46 13.848,35.46 13.679,35.29 13.679,34.354 14.427,33.606 14.427,4.826 13.725,4.124 13.725,-24.145 18.783,-29.203 23.43,-29.203 23.47,-29.243 v4(23.47,-29.728)
LA19B_P: J2B.h22 JB2B.42 | length 74.1
  Top Layer w0.118: JB2B.42@13.175,35.1 13.739,35.1 13.866,35.228 14.061,35.228 14.148,35.14 v1(14.203,35.14) ; J2B.h22@22.97,-27.958 v4(23.47,-28.458)
  L1 w0.069: v1(14.203,35.14) 14.137,35.14 14.037,35.24 13.939,35.24 13.898,35.2 13.898,34.445 14.647,33.696 14.647,4.735 13.945,4.033 13.945,-24.054 18.874,-28.983 23.43,-28.983 23.47,-28.942 v4(23.47,-28.458)
LA20A_N: J2A.g22 JB2A.48 | length 81.8
  Top Layer w0.118: v1(-5.9,38.14) -5.845,38.14 -5.758,38.228 -5.46,38.228 -5.333,38.1 JB2A.48@-4.7,38.1 ; J2A.g22@24.24,97.321 v1(24.875,96.686)
  L1 w0.069: v1(-5.9,38.14) -5.834,38.14 -5.734,38.24 -5.545,38.24 -5.196,38.589 -5.196,38.834 -5.186,38.844 -5.186,39.856 -5.196,39.866 -5.196,40.248 -6.198,41.25 -6.198,53.696 -3.852,56.042 -0.048,56.042 1.368,57.458 1.368,67.154 5.53,71.316 8.389,71.316 9.808,72.734 9.808,86.307 20.712,97.211 24.835,97.211 24.875,97.171 v1(24.875,96.686)
LA20A_P: J2A.g21 JB2A.46 | length 81.8
  Top Layer w0.118: v1(-5.9,38.56) -5.845,38.56 -5.758,38.472 -5.46,38.472 -5.333,38.6 JB2A.46@-4.7,38.6 ; J2A.g21@24.24,98.591 v1(24.875,97.956)
  L1 w0.069: v1(-5.9,38.56) -5.834,38.56 -5.734,38.46 -5.636,38.46 -5.415,38.68 -5.415,38.925 -5.405,38.935 -5.405,39.345 -5.41,39.35 -5.405,39.355 -5.405,39.765 -5.415,39.775 -5.415,40.157 -6.417,41.159 -6.417,53.787 -3.943,56.261 -0.139,56.261 1.149,57.549 1.149,67.245 5.439,71.535 8.299,71.535 9.589,72.825 9.589,86.398 20.621,97.431 24.835,97.431 24.875,97.472 v1(24.875,97.956)
LA20B_N: J2B.g22 JB2B.48 | length 76.1
  Top Layer w0.118: JB2B.48@13.175,36.6 13.808,36.6 13.935,36.472 14.102,36.472 14.971,36.472 15.058,36.56 v1(15.113,36.56) ; J2B.g22@24.24,-27.958 v4(24.74,-28.458)
  L1 w0.069: v1(15.113,36.56) 15.047,36.56 14.947,36.46 14.758,36.46 14.589,36.29 14.589,34.277 15.016,33.849 15.016,4.263 14.386,3.632 14.386,-23.232 19.086,-27.933 24.7,-27.933 24.74,-27.973 v4(24.74,-28.458)
LA20B_P: J2B.g21 JB2B.46 | length 75.4
  Top Layer w0.118: JB2B.46@13.175,36.1 13.808,36.1 13.935,36.228 14.203,36.228 14.971,36.228 15.058,36.14 v1(15.113,36.14) ; J2B.g21@24.24,-26.688 v4(24.74,-27.188)
  L1 w0.069: v1(15.113,36.14) 15.047,36.14 14.947,36.24 14.849,36.24 14.808,36.2 14.808,34.368 15.236,33.94 15.236,4.172 14.605,3.541 14.605,-23.141 19.177,-27.713 24.7,-27.713 24.74,-27.672 v4(24.74,-27.188)
LA21A_N: J2A.h26 JB2A.84 | length 83.1
  Top Layer w0.118: v1(-5.9,29.14) -5.845,29.14 -5.758,29.228 -5.46,29.228 -5.333,29.1 JB2A.84@-4.7,29.1 ; J2A.h26@22.97,92.241 v1(23.605,91.606)
  L1 w0.069: v1(-5.9,29.14) -5.834,29.14 -5.734,29.24 -4.968,29.24 -4.018,30.19 -4.018,38.346 -4.008,38.356 -4.008,41.367 -4.003,41.371 -4.003,41.556 -4.008,41.561 -4.008,41.567 ; 3.171,56.268 3.171,67.027 ; 9.777,70.614 12.685,73.522 12.685,84.13 20.687,92.131 23.565,92.131 23.605,92.091 v1(23.605,91.606)
  L1 w0.078: -4.008,41.567 -4.623,42.182 -4.623,49.505 -0.203,53.924 1.034,53.924 3.18,56.07 3.18,56.268 ; 3.171,67.027 6.248,70.104 9.279,70.104 9.783,70.608